# KiCad board Regulador.kicad_pcb
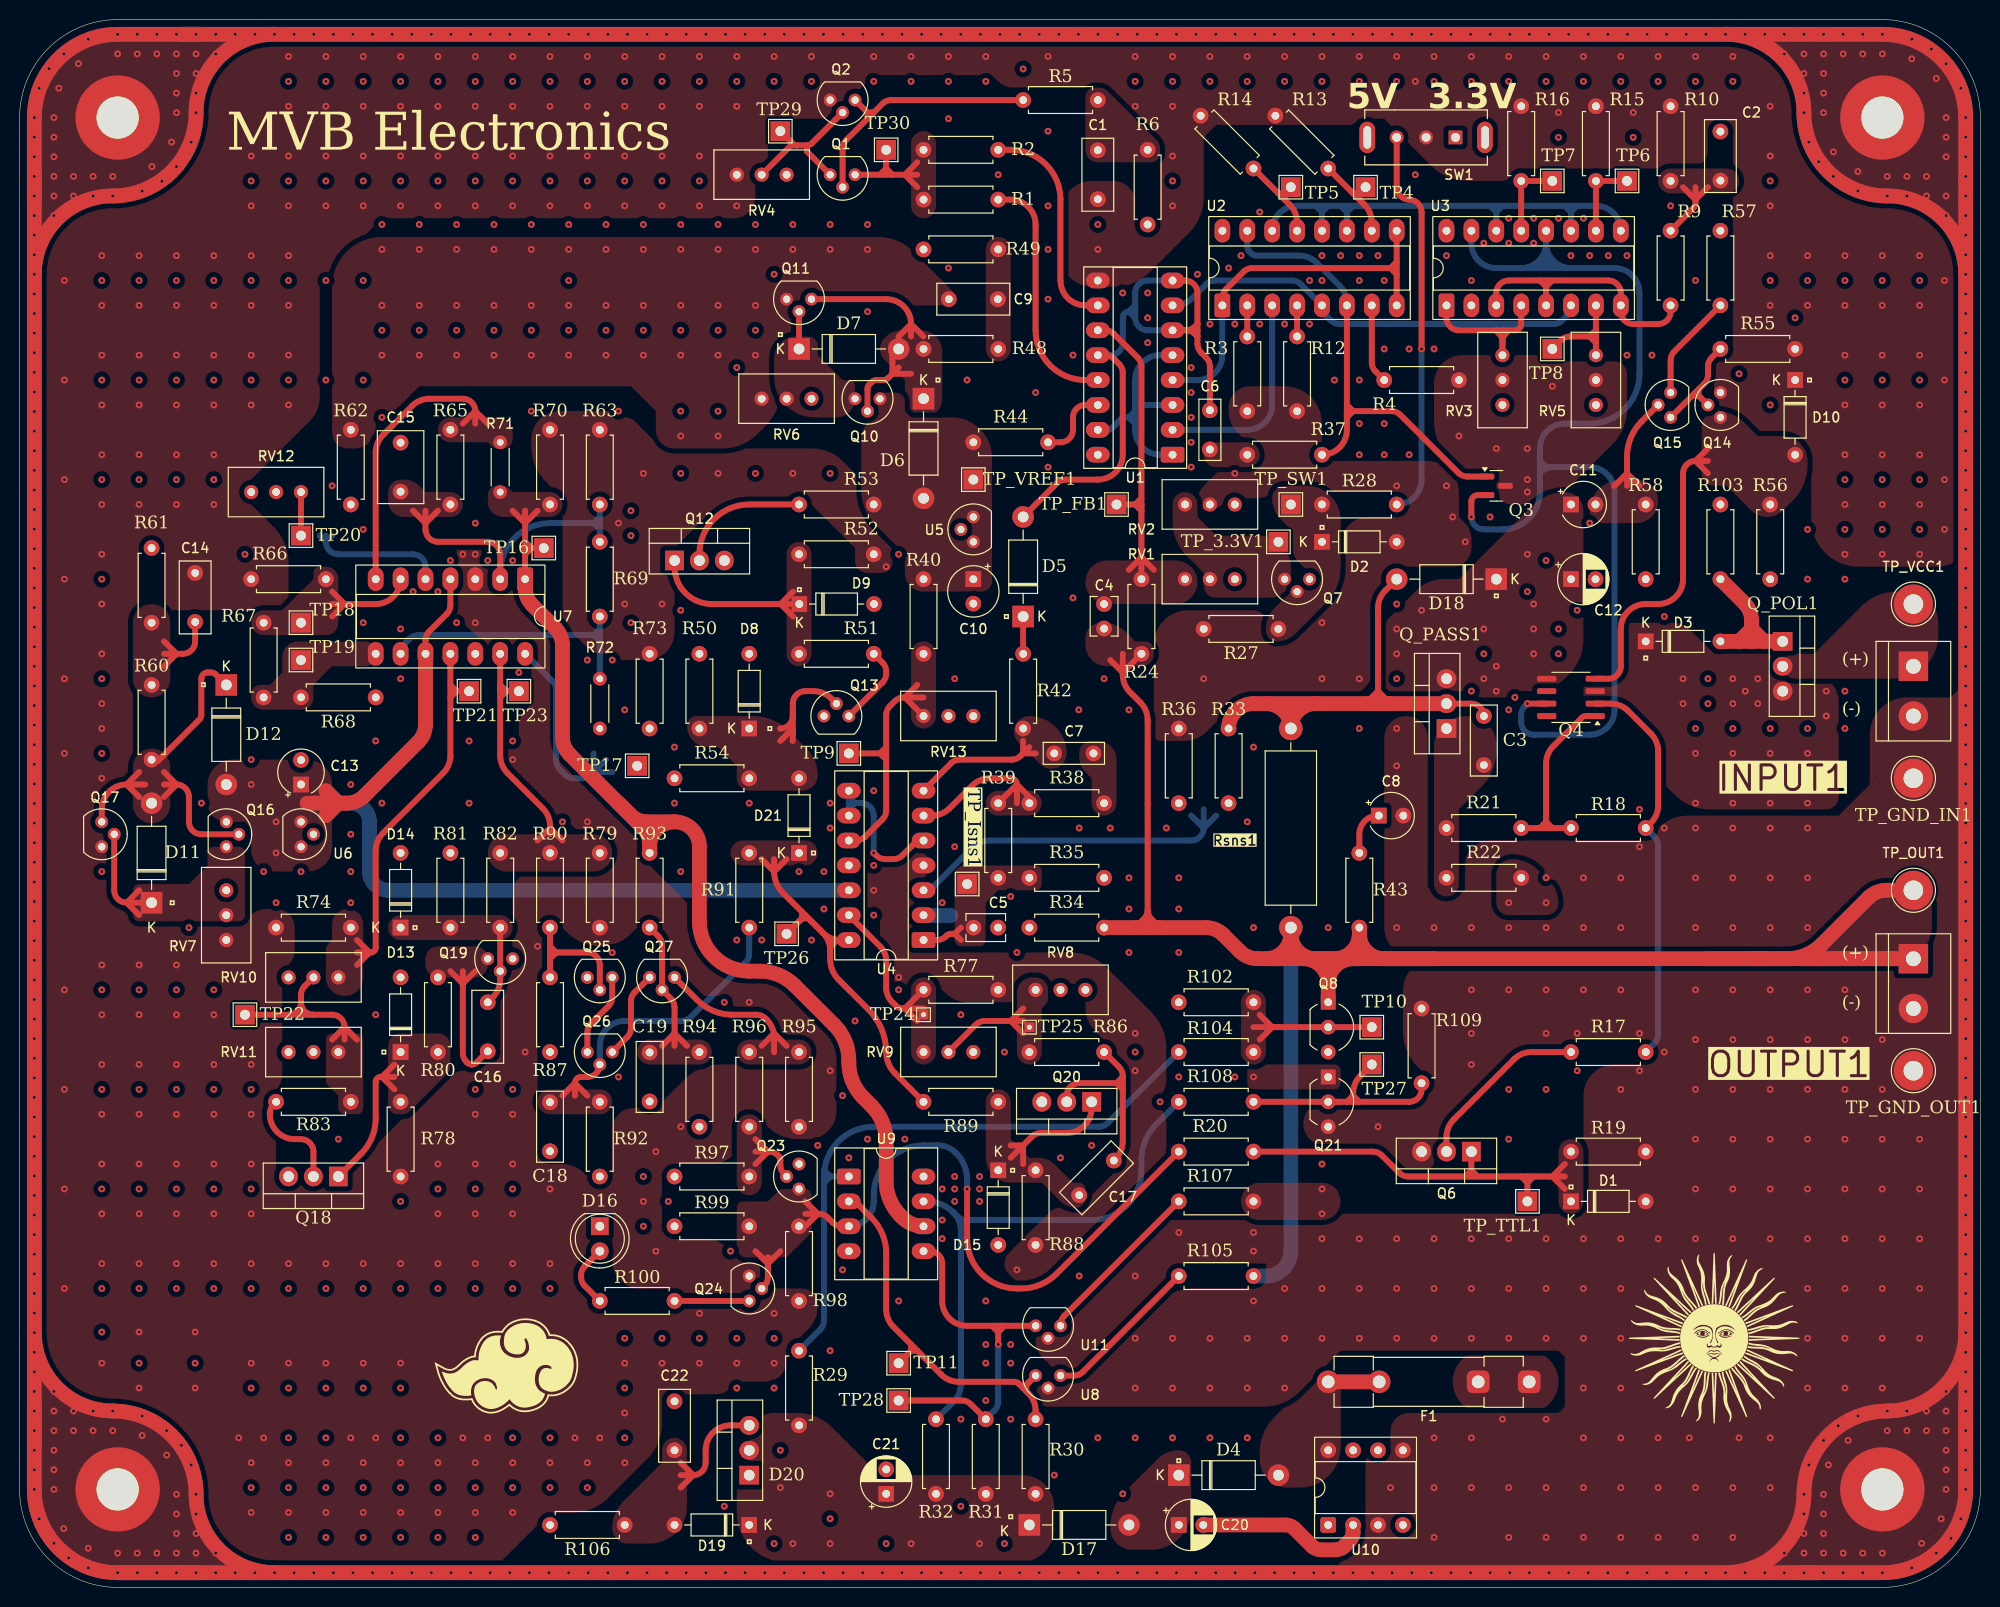
[diagram p0: board, top side]
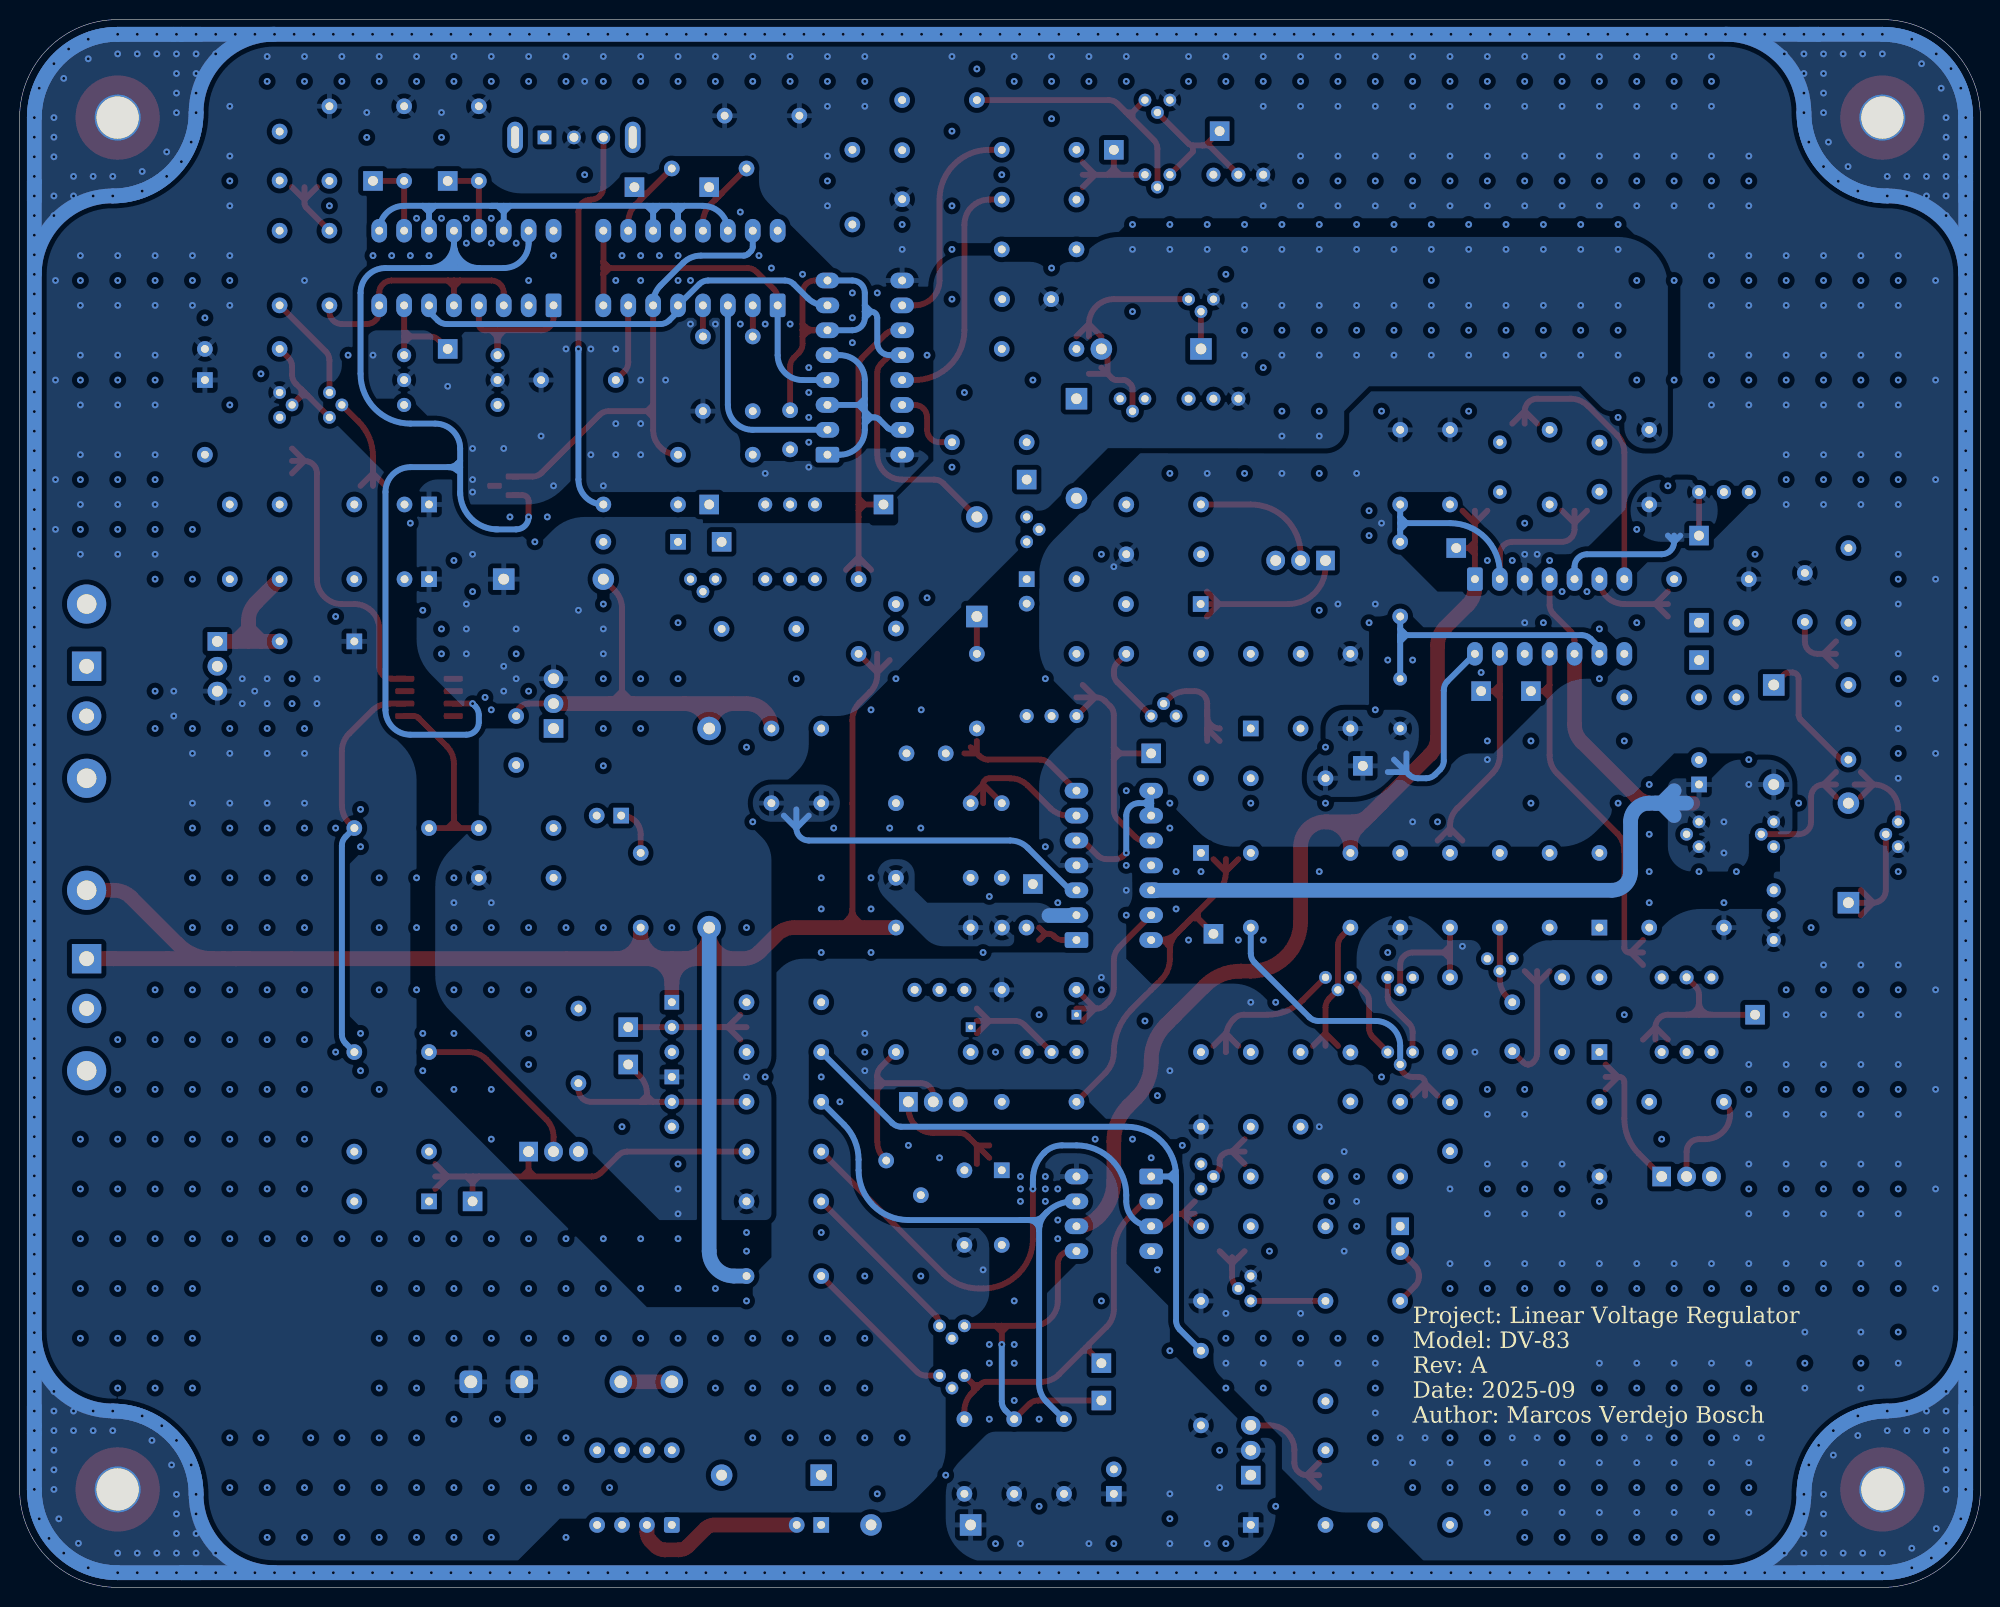
[diagram p1: board, bottom side, seen from below]

Outline 200 x 160 mm; copper layers: Top, In1.Cu, In2.Cu, Bottom. Coordinates in mm from the lower left corner of the outline.
Outline path: 0,150 0,10 arc(2.93,2.93) 10,0 190,0 arc(197.07,2.93) 200,10 200,150 arc(197.07,157.07) 190,160 10,160 arc(2.93,157.07) 0,150
Stack: Top 0.035mm / dielectric 0.2104mm 7628*1 er 4.4 / In1.Cu 0.0152mm / dielectric 1.065mm FR4 er 4.6 / In2.Cu 0.0152mm / dielectric 0.2104mm 7628*1 er 4.4 / Bottom 0.035mm

## Placement (name value [footprint] x y rotation side)
C1  100n  [C_Rect_L7.2mm_W3.0mm_P5.00mm_FKS2_FKP2_MKS2_MKP2]  109.98 141.67 90 top
C2  100n  [C_Rect_L7.2mm_W3.0mm_P5.00mm_FKS2_FKP2_MKS2_MKP2]  173.48 148.57 270 top
C3  33n  [C_Rect_L7.0mm_W2.5mm_P5.00mm]  149.35 88.92 270 top
C4  100p  [C_Disc_D3.8mm_W2.6mm_P2.50mm]  110.62 97.85 90 top
C5  100p  [C_Disc_D3.8mm_W2.6mm_P2.50mm]  99.8 67.34 180 top
C6  3.9n  [C_Rect_L7.0mm_W2.0mm_P4.00mm]  121.41 115.63 90 top
C7  4.7n  [C_Rect_L7.0mm_W2.0mm_P4.00mm]  105.04 85.12 0 top
C8  1u  [CP_Radial_Tantal_D4.5mm_P2.50mm]  138.64 78.76 0 top
C9  100n  [C_Rect_L7.2mm_W3.0mm_P5.00mm_FKS2_FKP2_MKS2_MKP2]  94.78 131.47 0 top
C10  6.8u  [CP_Radial_Tantal_D5.0mm_P2.50mm]  97.28 102.9 270 top
C11  1u  [CP_Radial_Tantal_D4.5mm_P2.50mm]  158.24 110.51 0 top
C12  10u  [CP_Radial_D5.0mm_P2.50mm]  158.24 102.9 0 top
C13  1u  [CP_Radial_Tantal_D4.5mm_P2.50mm]  28.7 81.94 90 top
C14  100n  [C_Rect_L7.2mm_W3.0mm_P5.00mm_FKS2_FKP2_MKS2_MKP2]  17.91 103.53 270 top
C15  330n  [C_Rect_L7.2mm_W4.5mm_P5.00mm_FKS2_FKP2_MKS2_MKP2]  38.86 111.83 90 top
C16  100n  [C_Rect_L7.2mm_W3.0mm_P5.00mm_FKS2_FKP2_MKS2_MKP2]  47.75 54.72 90 top
C17  22n  [C_Rect_L7.2mm_W3.0mm_P5.00mm_FKS2_FKP2_MKS2_MKP2]  111.61 43.57 225 top
C18  10n  [C_Rect_L7.0mm_W2.5mm_P5.00mm]  54.1 49.51 270 top
C19  10n  [C_Rect_L7.0mm_W2.5mm_P5.00mm]  64.26 54.59 270 top
C20  10u  [CP_Radial_D5.0mm_P2.50mm]  118.24 6.38 0 top
C21  10u  [CP_Radial_D5.0mm_P2.50mm]  88.39 9.55 90 top
C22  22n  [C_Rect_L7.2mm_W3.0mm_P5.00mm_FKS2_FKP2_MKS2_MKP2]  66.8 14 90 top
D1  D_Zener  [D_DO-35_SOD27_P7.62mm_Horizontal]  158.24 39.4 0 top
D2  D_Zener  [D_DO-35_SOD27_P7.62mm_Horizontal]  132.84 106.7 0 top
D3  D_Zener  [D_DO-35_SOD27_P7.62mm_Horizontal]  165.86 96.54 0 top
D4  1N5819  [D_DO-41_SOD81_P10.16mm_Horizontal]  118.24 11.45 0 top
D5  1N5819  [D_DO-41_SOD81_P10.16mm_Horizontal]  102.36 99.09 90 top
D6  1N5819  [D_DO-41_SOD81_P10.16mm_Horizontal]  92.2 121.31 270 top
D7  1N5819  [D_DO-41_SOD81_P10.16mm_Horizontal]  79.5 126.39 0 top
D8  D_Zener  [D_DO-35_SOD27_P7.62mm_Horizontal]  74.42 87.66 90 top
D9  D_Zener  [D_DO-35_SOD27_P7.62mm_Horizontal]  79.53 100.35 0 top
D10  D_Zener  [D_DO-35_SOD27_P7.62mm_Horizontal]  181.1 123.22 270 top
D11  1N5819  [D_DO-41_SOD81_P10.16mm_Horizontal]  13.46 69.88 90 top
D12  1N5819  [D_DO-41_SOD81_P10.16mm_Horizontal]  21.08 92.1 270 top
D13  D_Zener  [D_DO-35_SOD27_P7.62mm_Horizontal]  38.86 54.63 90 top
D14  D_Zener  [D_DO-35_SOD27_P7.62mm_Horizontal]  38.86 67.34 90 top
D15  D_Zener  [D_DO-35_SOD27_P7.62mm_Horizontal]  99.82 42.57 270 top
D16  LED  [LED_D5.0mm]  59.18 36.85 270 top
D17  1N5819  [D_DO-41_SOD81_P10.16mm_Horizontal]  103 6.38 0 top
D18  1N5819  [D_DO-41_SOD81_P10.16mm_Horizontal]  150.62 102.9 180 top
D19  D_Zener  [D_DO-35_SOD27_P7.62mm_Horizontal]  74.42 6.38 180 top
D20  TYN612  [TO-220-3_Vertical]  74.42 11.45 90 top
D21  1N4148  [D_DO-35_SOD27_P7.62mm_Horizontal]  79.5 74.95 90 top
F1  Fuse  [Fuseholder_Clip-5x20mm_Littelfuse_445-030_Inline_P20.50x5.20mm_D1.30mm_Horizontal]  153.98 20.98 180 top
G***  -  [LOGO]  49.66 22.88 0 top
G***#2  -  [LOGO]  172.85 25.42 0 top
H1  MountingHole_Pad  [MountingHole_4.3mm_M4_Pad_TopOnly]  190 10 270 top
H2  MountingHole_Pad  [MountingHole_4.3mm_M4_Pad_TopOnly]  10 150 270 top
H3  MountingHole_Pad  [MountingHole_4.3mm_M4_Pad_TopOnly]  190 150 270 top
H4  MountingHole_Pad  [MountingHole_4.3mm_M4_Pad_TopOnly]  10 10 270 top
INPUT1  Conn_01x02_Pin  [TerminalBlock_P5.08mm]  193.17 94 270 top
OUTPUT1  Conn_01x02_Pin  [TerminalBlock_P5.08mm]  193.17 64.16 270 top
Q1  BC557  [TO92-Custom]  85.22 144.17 180 top
Q2  BC557  [TO92-Custom]  85.22 151.79 180 top
Q3  BC807  [SOT-23]  150.62 112.42 0 top
Q4  IRF7328  [SOIC-8_3.9x4.9mm_P1.27mm]  158.24 90.83 180 top
Q6  IRFZ44N  [TO-220-3_Vertical]  148.08 44.48 180 top
Q7  2N7000  [TO92-Custom]  131.57 102.9 180 top
Q8  J175  [TO-92_Inline_Wide]  133.48 59.72 270 top
Q10  BC557  [TO92-Custom]  87.75 121.31 180 top
Q11  BC557  [TO92-Custom]  80.77 131.47 180 top
Q12  IRFZ44N  [TO-220-3_Vertical]  66.8 104.8 0 top
Q13  2N7000  [TO92-Custom]  82.04 88.92 0 top
Q14  BC557  [TO92-Custom]  173.48 119.41 90 top
Q15  BC547  [TO92-Custom]  168.4 119.41 90 top
Q16  BC557  [TO92-Custom]  21.08 78.13 270 top
Q17  BC557  [TO92-Custom]  8.38 78.13 270 top
Q18  IRFZ44N  [TO-220-3_Vertical]  32.51 41.94 180 top
Q19  2N7000  [TO92-Custom]  50.29 64.16 180 top
Q20  IRFZ44N  [TO-220-3_Vertical]  109.35 49.56 180 top
Q21  J175  [TO-92_Inline_Wide]  133.48 52.09 270 top
Q23  BC547  [TO92-Custom]  79.5 40.66 90 top
Q24  BC547  [TO92-Custom]  74.42 31.78 270 top
Q25  BC547  [TO92-Custom]  60.45 62.25 180 top
Q26  BC547  [TO92-Custom]  60.45 54.63 180 top
Q27  BC547  [TO92-Custom]  66.8 62.25 180 top
Q_PASS1  TIP42C  [TO-220-3_Vertical]  145.54 87.66 90 top
Q_POL1  IRF4905  [TO-220-3_Vertical]  179.83 96.54 270 top
R1  200  [R_Axial_DIN0207_L6.3mm_D2.5mm_P7.62mm_Horizontal]  92.2 141.63 0 top
R2  200  [R_Axial_DIN0207_L6.3mm_D2.5mm_P7.62mm_Horizontal]  92.2 146.71 0 top
R3  270  [R_Axial_DIN0207_L6.3mm_D2.5mm_P7.62mm_Horizontal]  125.22 127.66 270 top
R4  270  [R_Axial_DIN0207_L6.3mm_D2.5mm_P7.62mm_Horizontal]  139.19 123.22 0 top
R5  5.6k  [R_Axial_DIN0207_L6.3mm_D2.5mm_P7.62mm_Horizontal]  102.36 151.79 0 top
R6  5.6k  [R_Axial_DIN0207_L6.3mm_D2.5mm_P7.62mm_Horizontal]  115.06 146.71 270 top
R9  5.6k  [R_Axial_DIN0207_L6.3mm_D2.5mm_P7.62mm_Horizontal]  168.4 130.83 90 top
R10  5.6k  [R_Axial_DIN0207_L6.3mm_D2.5mm_P7.62mm_Horizontal]  168.4 143.53 90 top
R12  100  [R_Axial_DIN0207_L6.3mm_D2.5mm_P7.62mm_Horizontal]  130.3 127.66 270 top
R13  100  [R_Axial_DIN0207_L6.3mm_D2.5mm_P7.62mm_Horizontal]  128.09 150.19 315 top
R14  100  [R_Axial_DIN0207_L6.3mm_D2.5mm_P7.62mm_Horizontal]  120.47 150.19 315 top
R15  100  [R_Axial_DIN0207_L6.3mm_D2.5mm_P7.62mm_Horizontal]  160.78 151.16 270 top
R16  100  [R_Axial_DIN0207_L6.3mm_D2.5mm_P7.62mm_Horizontal]  153.16 151.16 270 top
R17  10  [R_Axial_DIN0207_L6.3mm_D2.5mm_P7.62mm_Horizontal]  165.86 54.63 180 top
R18  20k  [R_Axial_DIN0207_L6.3mm_D2.5mm_P7.62mm_Horizontal]  158.24 77.5 0 top
R19  20k  [R_Axial_DIN0207_L6.3mm_D2.5mm_P7.62mm_Horizontal]  158.24 44.47 0 top
R20  100  [R_Axial_DIN0207_L6.3mm_D2.5mm_P7.62mm_Horizontal]  125.86 44.47 180 top
R21  10  [R_Axial_DIN0207_L6.3mm_D2.5mm_P7.62mm_Horizontal]  145.54 77.5 0 top
R22  7.5k  [R_Axial_DIN0207_L6.3mm_D2.5mm_P7.62mm_Horizontal]  153.16 72.41 180 top
R24  15k  [R_Axial_DIN0207_L6.3mm_D2.5mm_P7.62mm_Horizontal]  114.43 95.28 90 top
R27  20k  [R_Axial_DIN0207_L6.3mm_D2.5mm_P7.62mm_Horizontal]  128.4 97.81 180 top
R28  100  [R_Axial_DIN0207_L6.3mm_D2.5mm_P7.62mm_Horizontal]  132.84 110.51 0 top
R29  5.6k  [R_Axial_DIN0207_L6.3mm_D2.5mm_P7.62mm_Horizontal]  79.5 16.53 90 top
R30  3.3k  [R_Axial_DIN0207_L6.3mm_D2.5mm_P7.62mm_Horizontal]  103.63 9.55 90 top
R31  3.3k  [R_Axial_DIN0207_L6.3mm_D2.5mm_P7.62mm_Horizontal]  98.55 9.55 90 top
R32  5.6k  [R_Axial_DIN0207_L6.3mm_D2.5mm_P7.62mm_Horizontal]  93.47 9.55 90 top
R33  1k  [R_Axial_DIN0207_L6.3mm_D2.5mm_P7.62mm_Horizontal]  123.31 87.66 270 top
R34  1k  [R_Axial_DIN0207_L6.3mm_D2.5mm_P7.62mm_Horizontal]  110.62 67.34 180 top
R35  10k  [R_Axial_DIN0207_L6.3mm_D2.5mm_P7.62mm_Horizontal]  110.62 72.41 180 top
R36  10k  [R_Axial_DIN0207_L6.3mm_D2.5mm_P7.62mm_Horizontal]  118.24 87.66 270 top
R37  2k  [R_Axial_DIN0207_L6.3mm_D2.5mm_P7.62mm_Horizontal]  125.22 115.59 0 top
R38  1,6k  [R_Axial_DIN0207_L6.3mm_D2.5mm_P7.62mm_Horizontal]  110.62 80.03 180 top
R39  10k  [R_Axial_DIN0207_L6.3mm_D2.5mm_P7.62mm_Horizontal]  99.82 72.41 90 top
R40  10k  [R_Axial_DIN0207_L6.3mm_D2.5mm_P7.62mm_Horizontal]  92.2 95.28 90 top
R42  510  [R_Axial_DIN0207_L6.3mm_D2.5mm_P7.62mm_Horizontal]  102.36 95.28 270 top
R43  1  [R_Axial_DIN0207_L6.3mm_D2.5mm_P7.62mm_Horizontal]  136.65 67.34 90 top
R44  7.5k  [R_Axial_DIN0207_L6.3mm_D2.5mm_P7.62mm_Horizontal]  97.28 116.86 0 top
R48  5.6k  [R_Axial_DIN0207_L6.3mm_D2.5mm_P7.62mm_Horizontal]  92.2 126.39 0 top
R49  5.6k  [R_Axial_DIN0207_L6.3mm_D2.5mm_P7.62mm_Horizontal]  99.82 136.55 180 top
R50  20k  [R_Axial_DIN0207_L6.3mm_D2.5mm_P7.62mm_Horizontal]  69.34 87.66 90 top
R51  100  [R_Axial_DIN0207_L6.3mm_D2.5mm_P7.62mm_Horizontal]  79.5 95.28 0 top
R52  5.6k  [R_Axial_DIN0207_L6.3mm_D2.5mm_P7.62mm_Horizontal]  87.12 105.44 180 top
R53  1  [R_Axial_DIN0207_L6.3mm_D2.5mm_P7.62mm_Horizontal]  87.12 110.51 180 top
R54  100  [R_Axial_DIN0207_L6.3mm_D2.5mm_P7.62mm_Horizontal]  74.42 82.57 180 top
R55  4.7k  [R_Axial_DIN0207_L6.3mm_D2.5mm_P7.62mm_Horizontal]  181.1 126.39 180 top
R56  10k  [R_Axial_DIN0207_L6.3mm_D2.5mm_P7.62mm_Horizontal]  178.56 110.51 270 top
R57  10k  [R_Axial_DIN0207_L6.3mm_D2.5mm_P7.62mm_Horizontal]  173.48 130.83 90 top
R58  10k  [R_Axial_DIN0207_L6.3mm_D2.5mm_P7.62mm_Horizontal]  165.86 110.51 270 top
R60  5.6k  [R_Axial_DIN0207_L6.3mm_D2.5mm_P7.62mm_Horizontal]  13.46 84.48 90 top
R61  5.6k  [R_Axial_DIN0207_L6.3mm_D2.5mm_P7.62mm_Horizontal]  13.46 98.45 90 top
R62  20k  [R_Axial_DIN0207_L6.3mm_D2.5mm_P7.62mm_Horizontal]  33.78 118.13 270 top
R63  15k  [R_Axial_DIN0207_L6.3mm_D2.5mm_P7.62mm_Horizontal]  59.18 110.51 90 top
R65  10k  [R_Axial_DIN0207_L6.3mm_D2.5mm_P7.62mm_Horizontal]  43.94 118.13 270 top
R66  100k  [R_Axial_DIN0207_L6.3mm_D2.5mm_P7.62mm_Horizontal]  31.24 102.9 180 top
R67  51k  [R_Axial_DIN0207_L6.3mm_D2.5mm_P7.62mm_Horizontal]  24.89 98.45 270 top
R68  51k  [R_Axial_DIN0207_L6.3mm_D2.5mm_P7.62mm_Horizontal]  36.32 90.83 180 top
R69  10k  [R_Axial_DIN0207_L6.3mm_D2.5mm_P7.62mm_Horizontal]  59.18 99.09 90 top
R70  3.3k  [R_Axial_DIN0207_L6.3mm_D2.5mm_P7.62mm_Horizontal]  54.1 110.51 90 top
R71  10Meg  [R_Axial_DIN0204_L3.6mm_D1.6mm_P5.08mm_Horizontal]  49.02 111.78 90 top
R72  10Meg  [R_Axial_DIN0204_L3.6mm_D1.6mm_P5.08mm_Horizontal]  59.18 87.66 90 top
R73  3.3k  [R_Axial_DIN0207_L6.3mm_D2.5mm_P7.62mm_Horizontal]  64.26 95.28 270 top
R74  100k  [R_Axial_DIN0207_L6.3mm_D2.5mm_P7.62mm_Horizontal]  33.78 67.34 180 top
R77  100k  [R_Axial_DIN0207_L6.3mm_D2.5mm_P7.62mm_Horizontal]  92.2 60.98 0 top
R78  7.5k  [R_Axial_DIN0207_L6.3mm_D2.5mm_P7.62mm_Horizontal]  38.86 41.94 90 top
R79  3.3k  [R_Axial_DIN0207_L6.3mm_D2.5mm_P7.62mm_Horizontal]  59.18 74.95 270 top
R80  100  [R_Axial_DIN0207_L6.3mm_D2.5mm_P7.62mm_Horizontal]  42.67 54.63 90 top
R81  68k  [R_Axial_DIN0207_L6.3mm_D2.5mm_P7.62mm_Horizontal]  43.94 67.34 90 top
R82  680  [R_Axial_DIN0207_L6.3mm_D2.5mm_P7.62mm_Horizontal]  49.02 67.34 90 top
R83  100  [R_Axial_DIN0207_L6.3mm_D2.5mm_P7.62mm_Horizontal]  33.78 49.56 180 top
R86  100  [R_Axial_DIN0207_L6.3mm_D2.5mm_P7.62mm_Horizontal]  103 54.63 0 top
R87  100k  [R_Axial_DIN0207_L6.3mm_D2.5mm_P7.62mm_Horizontal]  54.1 54.63 90 top
R88  4.7k  [R_Axial_DIN0207_L6.3mm_D2.5mm_P7.62mm_Horizontal]  103.63 34.95 90 top
R89  100  [R_Axial_DIN0207_L6.3mm_D2.5mm_P7.62mm_Horizontal]  99.82 49.56 180 top
R90  47k  [R_Axial_DIN0207_L6.3mm_D2.5mm_P7.62mm_Horizontal]  54.1 74.95 270 top
R91  47k  [R_Axial_DIN0207_L6.3mm_D2.5mm_P7.62mm_Horizontal]  74.42 74.95 270 top
R92  100k  [R_Axial_DIN0207_L6.3mm_D2.5mm_P7.62mm_Horizontal]  59.18 41.94 90 top
R93  47k  [R_Axial_DIN0207_L6.3mm_D2.5mm_P7.62mm_Horizontal]  64.26 74.95 270 top
R94  100k  [R_Axial_DIN0207_L6.3mm_D2.5mm_P7.62mm_Horizontal]  69.34 47.01 90 top
R95  10k  [R_Axial_DIN0207_L6.3mm_D2.5mm_P7.62mm_Horizontal]  79.5 54.63 270 top
R96  10k  [R_Axial_DIN0207_L6.3mm_D2.5mm_P7.62mm_Horizontal]  74.42 47.01 90 top
R97  100k  [R_Axial_DIN0207_L6.3mm_D2.5mm_P7.62mm_Horizontal]  66.8 41.94 0 top
R98  1.6k  [R_Axial_DIN0207_L6.3mm_D2.5mm_P7.62mm_Horizontal]  79.5 36.85 270 top
R99  100k  [R_Axial_DIN0207_L6.3mm_D2.5mm_P7.62mm_Horizontal]  66.8 36.85 0 top
R100  330  [R_Axial_DIN0207_L6.3mm_D2.5mm_P7.62mm_Horizontal]  59.18 29.23 0 top
R102  1Meg  [R_Axial_DIN0207_L6.3mm_D2.5mm_P7.62mm_Horizontal]  125.86 59.72 180 top
R103  10k  [R_Axial_DIN0207_L6.3mm_D2.5mm_P7.62mm_Horizontal]  173.48 102.9 90 top
R104  100k  [R_Axial_DIN0207_L6.3mm_D2.5mm_P7.62mm_Horizontal]  118.24 54.63 0 top
R105  2k  [R_Axial_DIN0207_L6.3mm_D2.5mm_P7.62mm_Horizontal]  125.86 31.78 180 top
R106  470  [R_Axial_DIN0207_L6.3mm_D2.5mm_P7.62mm_Horizontal]  54.1 6.38 0 top
R107  2k  [R_Axial_DIN0207_L6.3mm_D2.5mm_P7.62mm_Horizontal]  125.86 39.4 180 top
R108  100k  [R_Axial_DIN0207_L6.3mm_D2.5mm_P7.62mm_Horizontal]  118.24 49.56 0 top
R109  1Meg  [R_Axial_DIN0207_L6.3mm_D2.5mm_P7.62mm_Horizontal]  143 51.46 90 top
Rsns1  0.1  [R_Axial_DIN0516_L15.5mm_D5.0mm_P20.32mm_Horizontal]  129.67 87.66 270 top
RV1  R_Potentiometer  [Potentiometer_Bourns_3296W_Vertical]  118.87 102.9 180 top
RV2  R_Potentiometer  [Potentiometer_Bourns_3296W_Vertical]  118.87 110.51 180 top
RV3  R_Potentiometer  [Potentiometer_Bourns_3296W_Vertical]  151.25 125.75 90 top
RV4  R_Potentiometer  [Potentiometer_Bourns_3296W_Vertical]  73.15 144.17 180 top
RV5  R_Potentiometer  [Potentiometer_Bourns_3296W_Vertical]  160.78 125.75 90 top
RV6  R_Potentiometer  [Potentiometer_Bourns_3296W_Vertical]  75.69 121.31 180 top
RV7  R_Potentiometer  [Potentiometer_Bourns_3296W_Vertical]  21.08 66.06 270 top
RV8  R_Potentiometer  [Potentiometer_Bourns_3296W_Vertical]  103.63 60.98 180 top
RV9  R_Potentiometer  [Potentiometer_Bourns_3296W_Vertical]  92.2 54.63 180 top
RV10  R_Potentiometer  [Potentiometer_Bourns_3296W_Vertical]  32.51 62.25 0 top
RV11  R_Potentiometer  [Potentiometer_Bourns_3296W_Vertical]  32.51 54.63 0 top
RV12  R_Potentiometer  [Potentiometer_Bourns_3296W_Vertical]  28.7 111.78 0 top
RV13  R_Potentiometer  [Potentiometer_Bourns_3296W_Vertical]  92.2 88.92 180 top
SW1  SW_SPDT  [SWITCH1]  143.21 147.98 180 top
TP4  TestPoint  [TestPoint_THTPad_2.0x2.0mm_Drill1.0mm]  137.29 142.9 270 top
TP5  TestPoint  [TestPoint_THTPad_2.0x2.0mm_Drill1.0mm]  129.67 142.9 270 top
TP6  TestPoint  [TestPoint_THTPad_2.0x2.0mm_Drill1.0mm]  163.96 143.53 270 top
TP7  TestPoint  [TestPoint_THTPad_2.0x2.0mm_Drill1.0mm]  156.34 143.53 270 top
TP8  TestPoint  [TestPoint_THTPad_2.0x2.0mm_Drill1.0mm]  156.34 126.39 90 top
TP9  TestPoint  [TestPoint_THTPad_2.0x2.0mm_Drill1.0mm]  84.58 85.12 270 top
TP10  TestPoint  [TestPoint_THTPad_2.0x2.0mm_Drill1.0mm]  137.92 57.17 270 top
TP11  TestPoint  [TestPoint_THTPad_2.0x2.0mm_Drill1.0mm]  89.66 22.88 270 top
TP16  TestPoint  [TestPoint_THTPad_2.0x2.0mm_Drill1.0mm]  53.47 106.07 270 top
TP17  TestPoint  [TestPoint_THTPad_2.0x2.0mm_Drill1.0mm]  62.99 83.84 270 top
TP18  TestPoint  [TestPoint_THTPad_2.0x2.0mm_Drill1.0mm]  28.7 98.45 0 top
TP19  TestPoint  [TestPoint_THTPad_2.0x2.0mm_Drill1.0mm]  28.7 94.64 270 top
TP20  TestPoint  [TestPoint_THTPad_2.0x2.0mm_Drill1.0mm]  28.7 107.34 270 top
TP21  TestPoint  [TestPoint_THTPad_2.0x2.0mm_Drill1.0mm]  45.85 91.47 270 top
TP22  TestPoint  [TestPoint_THTPad_2.0x2.0mm_Drill1.0mm]  22.99 58.44 270 top
TP23  TestPoint  [TestPoint_THTPad_2.0x2.0mm_Drill1.0mm]  50.93 91.47 0 top
TP24  TestPoint  [TestPoint_THTPad_1.0x1.0mm_Drill0.5mm]  92.2 58.44 270 top
TP25  TestPoint  [TestPoint_THTPad_1.0x1.0mm_Drill0.5mm]  103 57.17 270 top
TP26  TestPoint  [TestPoint_THTPad_2.0x2.0mm_Drill1.0mm]  78.23 66.7 270 top
TP27  TestPoint  [TestPoint_THTPad_2.0x2.0mm_Drill1.0mm]  137.92 53.37 270 top
TP28  TestPoint  [TestPoint_THTPad_2.0x2.0mm_Drill1.0mm]  89.66 19.07 270 top
TP29  TestPoint  [TestPoint_THTPad_2.0x2.0mm_Drill1.0mm]  77.6 148.62 270 top
TP30  TestPoint  [TestPoint_THTPad_2.0x2.0mm_Drill1.0mm]  88.39 146.71 270 top
TP_3.3V1  TestPoint  [TestPoint_THTPad_2.0x2.0mm_Drill1.0mm]  128.4 106.7 270 top
TP_FB1  TestPoint  [TestPoint_THTPad_2.0x2.0mm_Drill1.0mm]  111.88 110.51 270 top
TP_GND_IN1  TestPoint  [TestPoint_THTPad_D4.0mm_Drill2.0mm]  193.17 82.57 270 top
TP_GND_OUT1  TestPoint  [TestPoint_THTPad_D4.0mm_Drill2.0mm]  193.17 52.73 270 top
TP_Isns1  TestPoint  [TestPoint_THTPad_2.0x2.0mm_Drill1.0mm]  96.65 71.78 270 top
TP_OUT1  TestPoint  [TestPoint_THTPad_D4.0mm_Drill2.0mm]  193.17 71.15 0 top
TP_SW1  TestPoint  [TestPoint_THTPad_2.0x2.0mm_Drill1.0mm]  129.67 110.51 270 top
TP_TTL1  TestPoint  [TestPoint_THTPad_2.0x2.0mm_Drill1.0mm]  153.8 39.4 270 top
TP_VCC1  TestPoint  [TestPoint_THTPad_D4.0mm_Drill2.0mm]  193.17 100.35 0 top
TP_VREF1  TestPoint  [TestPoint_THTPad_2.0x2.0mm_Drill1.0mm]  97.28 113.05 270 top
U1  CA3096  [DIP-16]  117.6 115.59 180 top
U2  CA3096  [DIP-16]  122.68 130.83 90 top
U3  CA3096  [DIP-16]  145.54 130.83 90 top
U4  LM324A  [CERDIP-14]  92.2 66.06 180 top
U5  TL431LP  [TO92-Custom]  97.28 106.7 90 top
U6  TL431LP  [TO92-Custom]  28.7 78.13 270 top
U7  LM339  [CERDIP-14]  51.56 102.9 270 top
U8  TL431LP  [TO92-Custom]  106.17 21.62 180 top
U9  LM393  [CERDIP-8]  84.58 41.94 0 top
U10  ICL7660  [DIP-8_W7.62mm_Socket]  133.48 6.38 90 top
U11  TL431LP  [TO92-Custom]  106.17 26.69 180 top
